# Altium PCB Mosaic-Alto.PcbDoc (part 1 of 2)
Units mm, origin at the board's own origin, x right, y up, seen from the top; angles counter-clockwise.
Board outline 95 x 75 mm, 4 copper layers (L1, L2, L3, L4), stack 1.546 mm thick; 121 components, 132 nets, 908 pads, 395 vias.
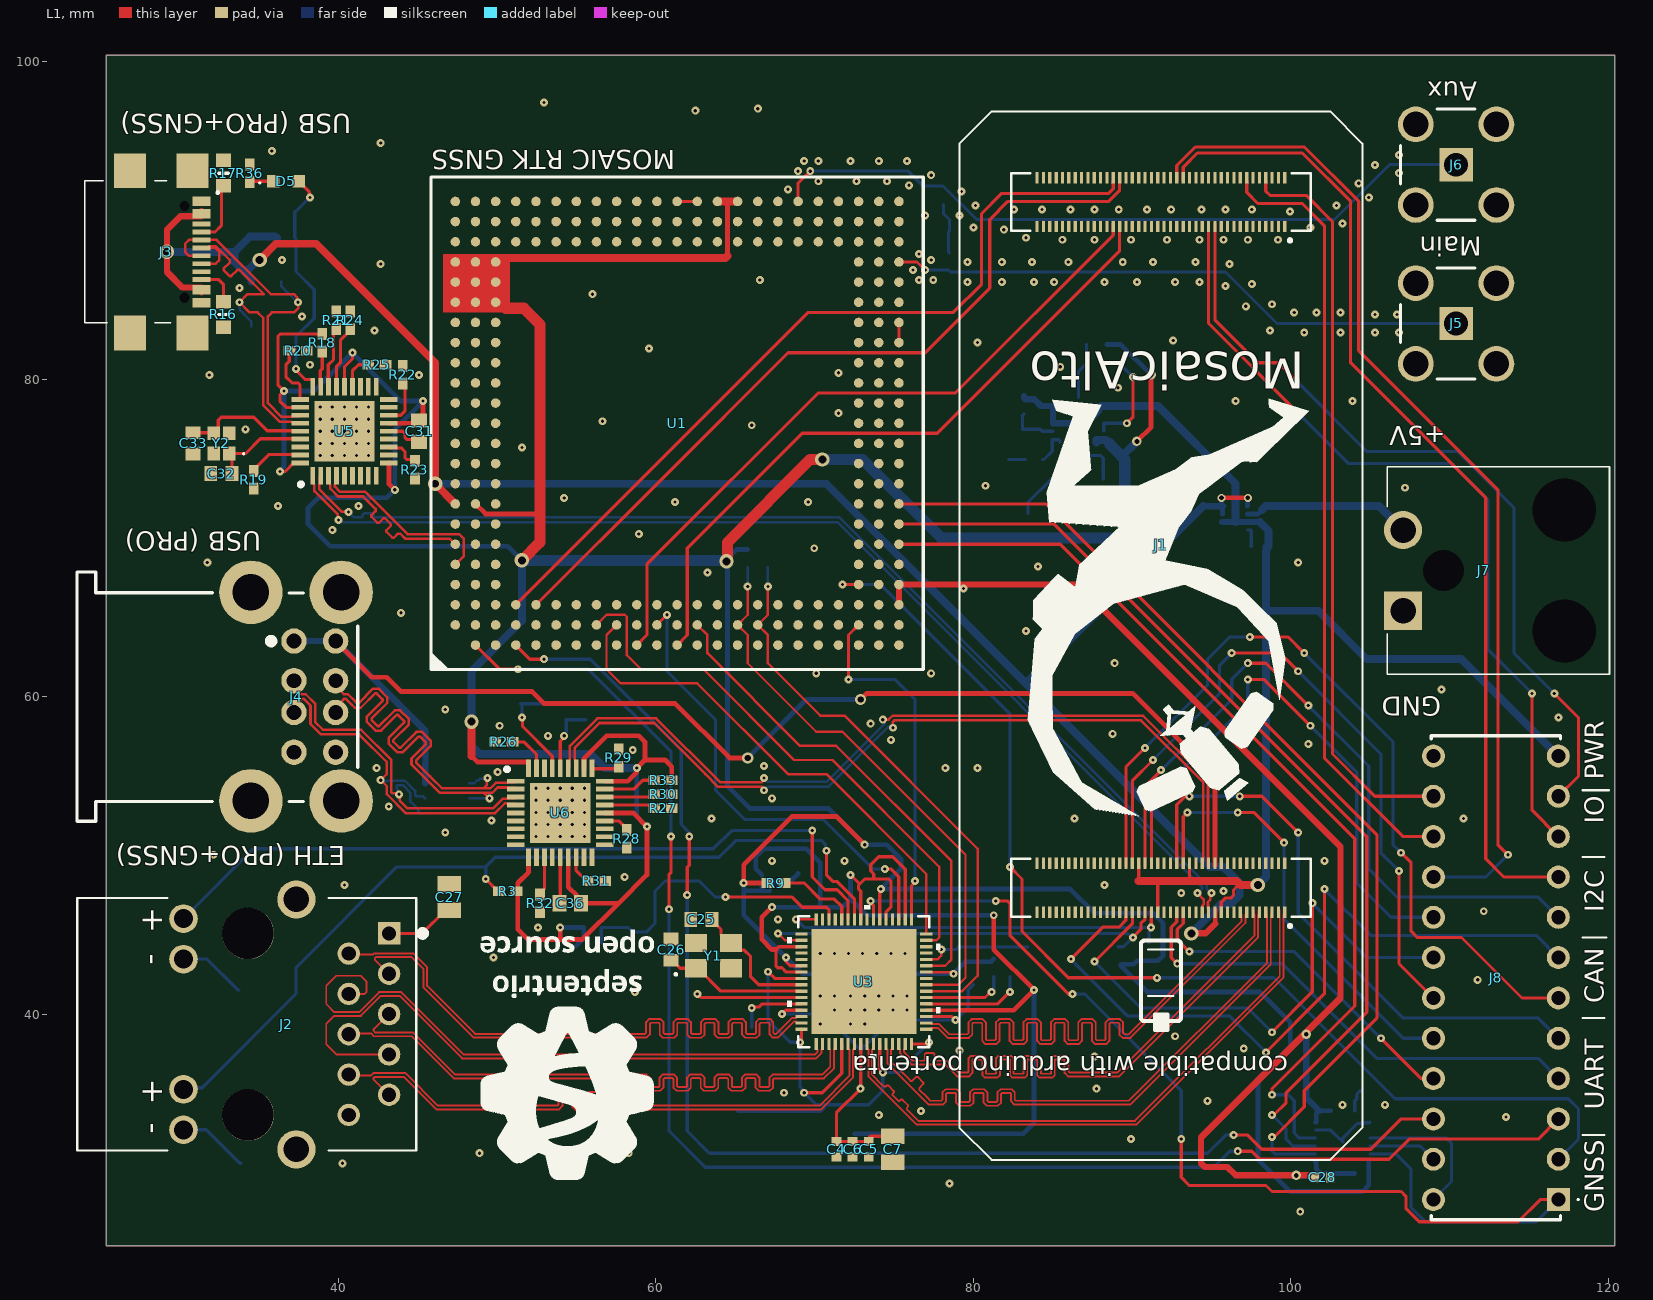
[diagram p0: L1 view]
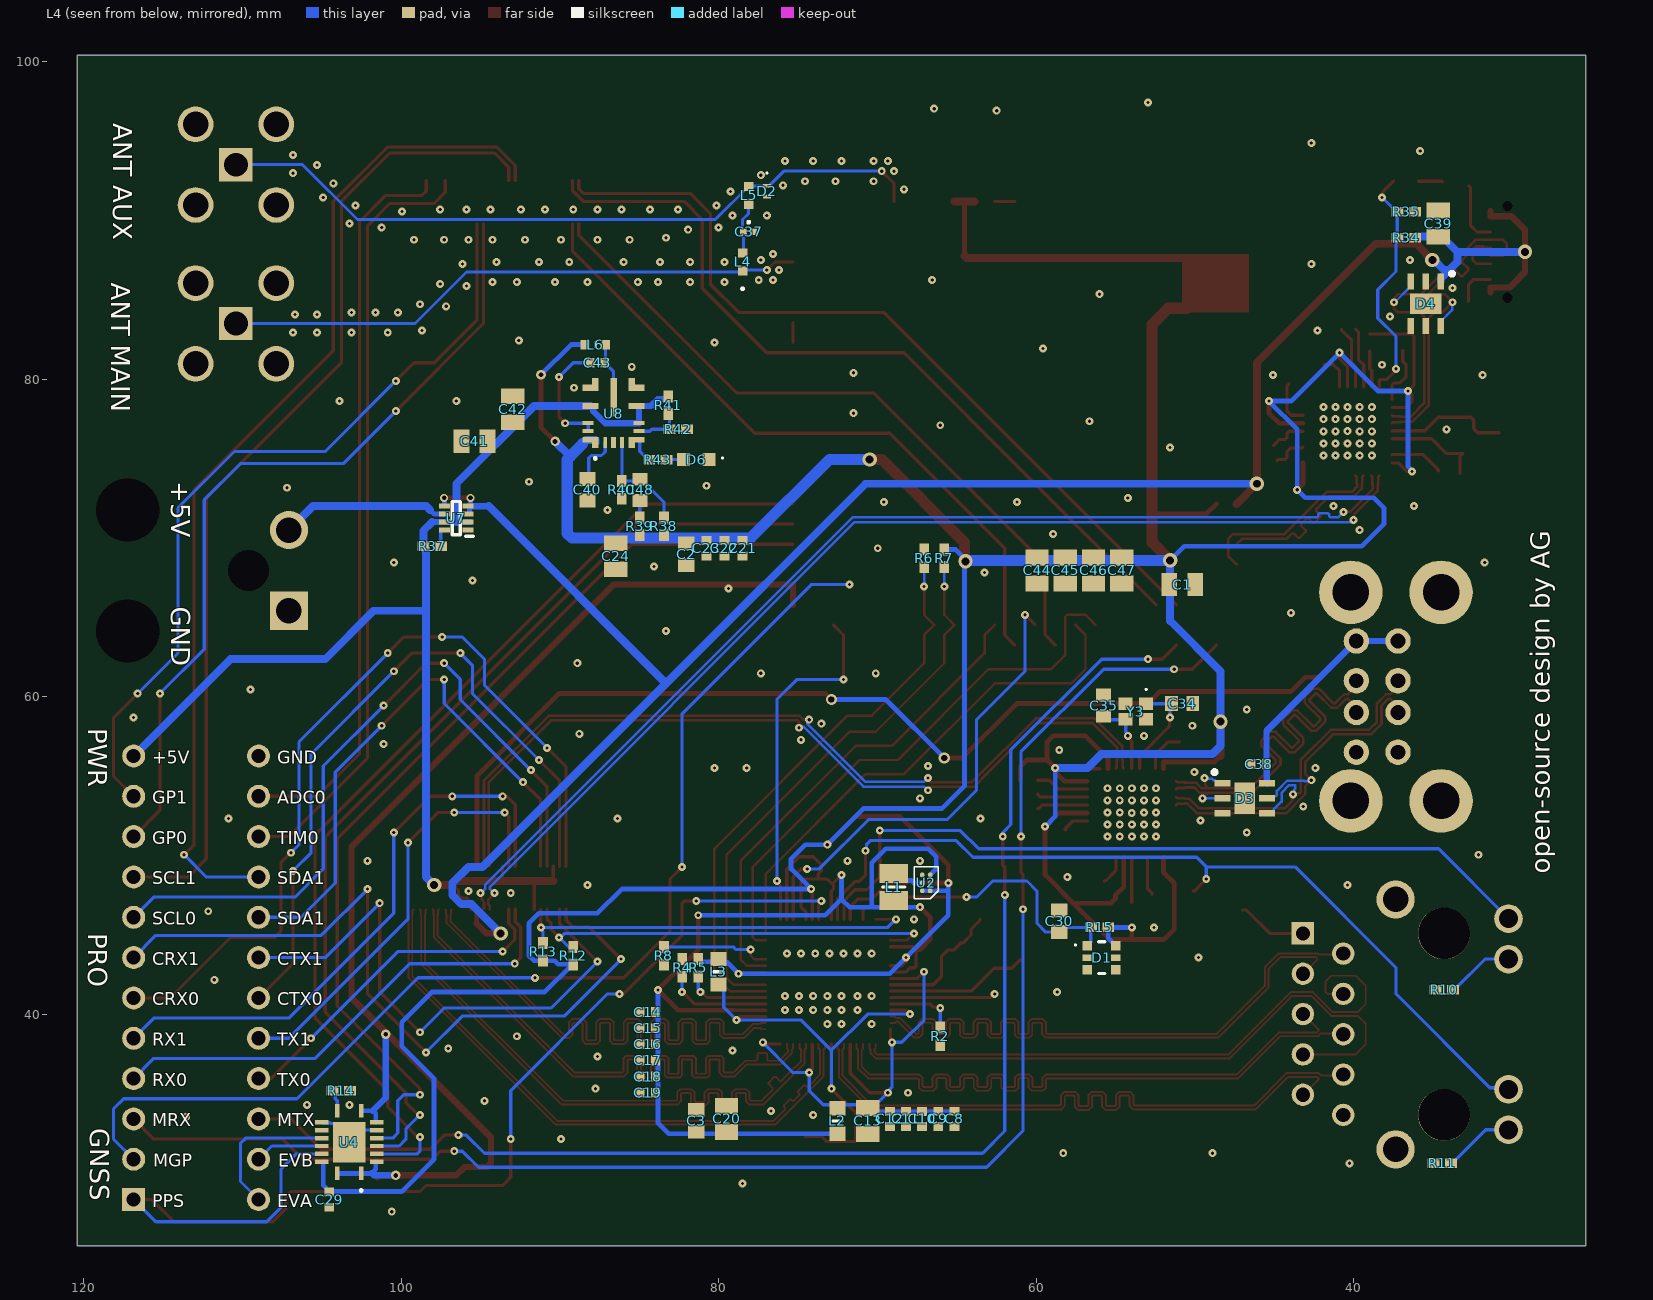
[diagram p1: L4 view, seen from below]
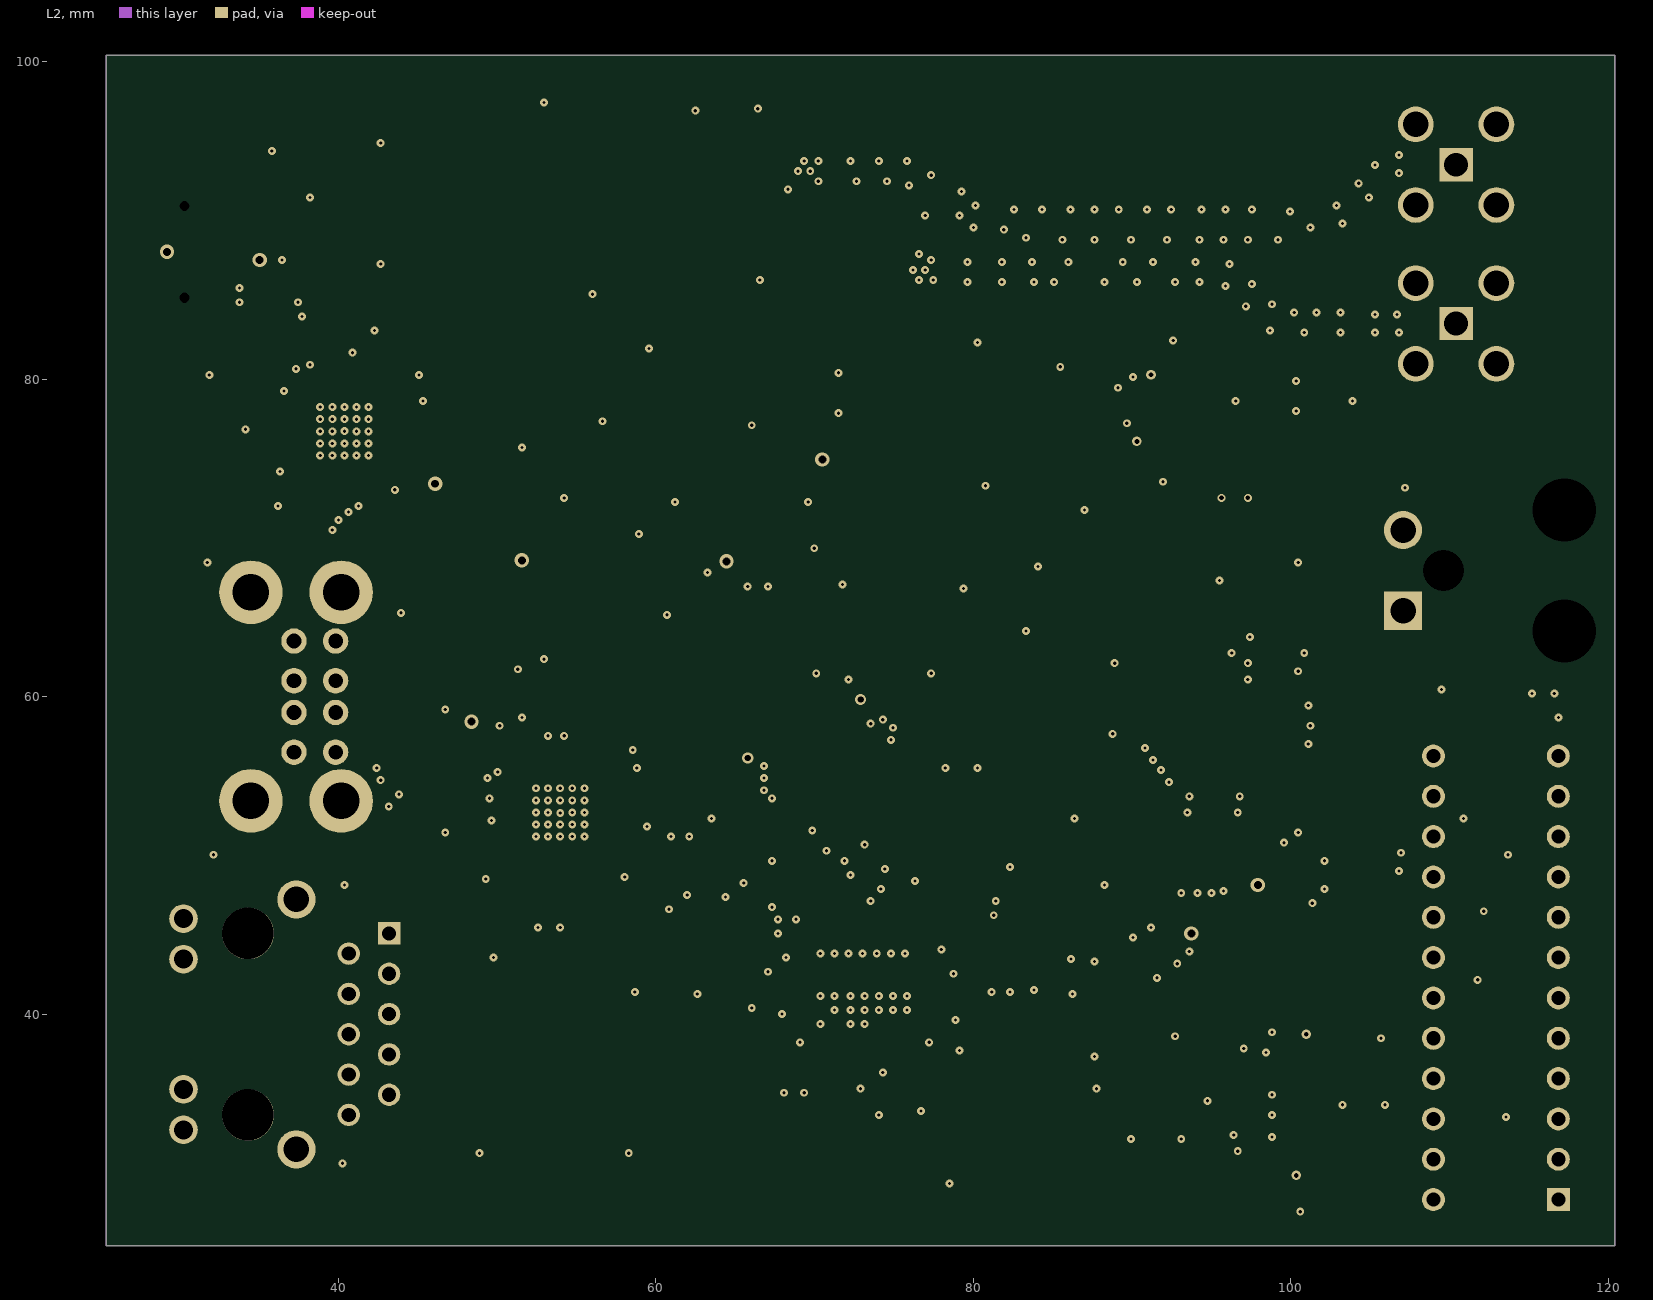
[diagram p2: L2]
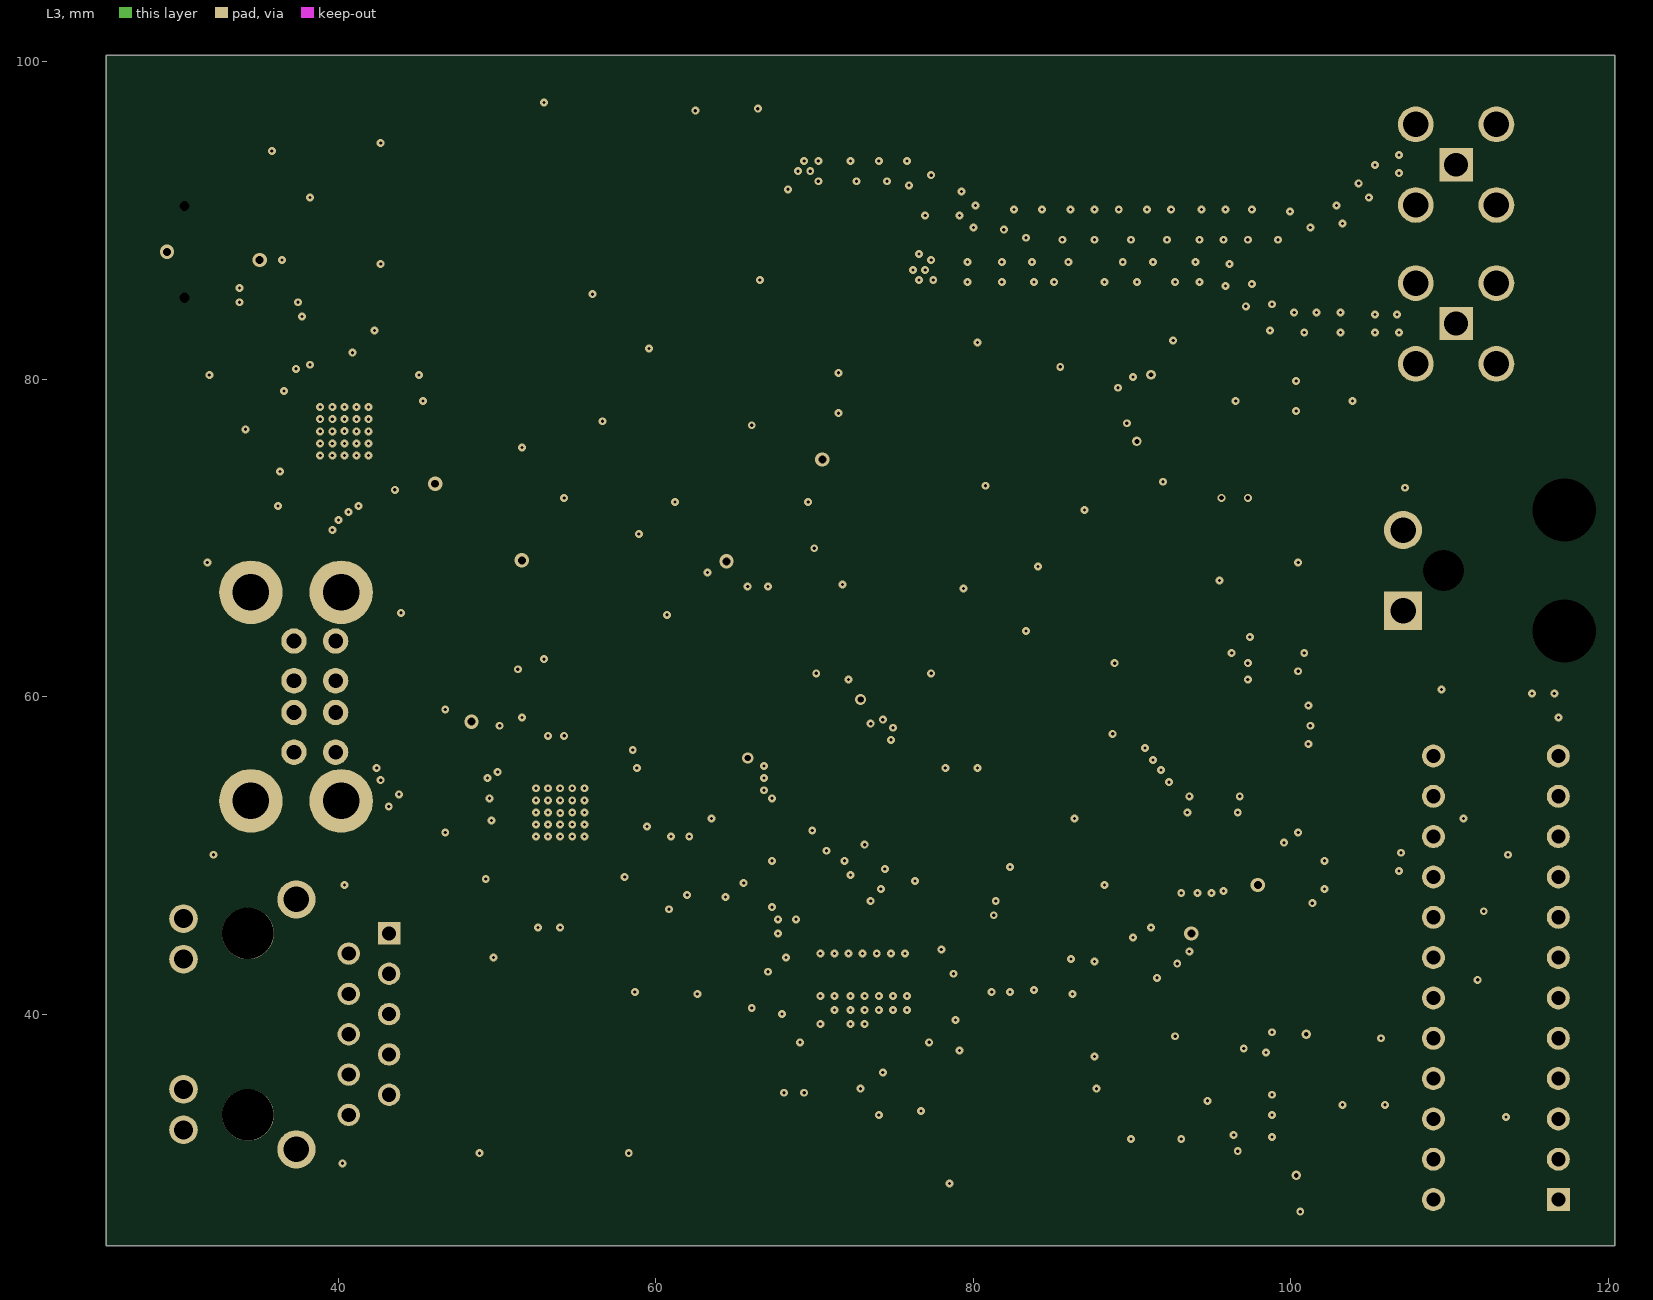
[diagram p3: L3]

## Layer stack, top to bottom
Top Solder: solder mask 0.0254, SM-001, Dk 4
L1: signal copper 0.018
Dielectric 1: prepreg 0.12, PP-017, Dk 4.3
L2: signal copper 0.035
Dielectric 3: core 1.2, Core-039, Dk 4.8
L3: signal copper 0.035
Dielectric 5: prepreg 0.12, PP-017, Dk 4.3
L4: signal copper 0.018
Bottom Solder: solder mask 0.0254, SM-001, Dk 4

## Board outline
25.4,25.4 120.4,25.4 120.4,100.4 25.4,100.4

## Design rules (kind name [scope] priority, off if disabled: settings)
Clearance [All] p1: gap=0.1 ignorepadtopadclearanceinfootprint=TRUE
DiffPairsRouting "DPR USB" [InDifferentialPairClass('USB')] p1: maxlimit=0.254 minlimit=0.135 mostfreqgap=0.254 toplayer_maxgap=0.135 toplayer_prefgap=0.135 toplayer_minwidth=0.16 toplayer_maxwidth=0.16 toplayer_prefwidth=0.16 bottomlayer_maxgap=0.135 bottomlayer_prefgap=0.135 bottomlayer_minwidth=0.16 bottomlayer_maxwidth=0.16 bottomlayer_prefwidth=0.16 impedanceprofiledriven=TRUE impedanceprofileid={52512706-66FF-41AC-9D00-82F6A5528D02} impedanceprofilevalue=90.000000 maxuncoupledlength=12.7
DiffPairsRouting "DPR ETH" [InDifferentialPairClass('ETH')] p2: maxlimit=0.254 minlimit=0.116 mostfreqgap=0.254 toplayer_maxgap=0.116 toplayer_prefgap=0.116 toplayer_minwidth=0.12 toplayer_maxwidth=0.12 toplayer_prefwidth=0.12 bottomlayer_maxgap=0.116 bottomlayer_prefgap=0.116 bottomlayer_minwidth=0.12 bottomlayer_maxwidth=0.12 bottomlayer_prefwidth=0.12 impedanceprofiledriven=TRUE impedanceprofileid={9EF9EB3B-9D26-48AA-AE8A-2948C9B5AF35} impedanceprofilevalue=100.000000 maxuncoupledlength=12.7
DiffPairsRouting [All] p3: maxlimit=0.254 minlimit=0.254 mostfreqgap=0.254 toplayer_minwidth=0.381 toplayer_maxwidth=0.381 toplayer_prefwidth=0.381 midlayer1_minwidth=0.381 midlayer1_maxwidth=0.381 midlayer1_prefwidth=0.381 midlayer2_minwidth=0.381 midlayer2_maxwidth=0.381 midlayer2_prefwidth=0.381 bottomlayer_minwidth=0.381 bottomlayer_maxwidth=0.381 bottomlayer_prefwidth=0.381 maxuncoupledlength=12.7
MinimumSolderMaskSliver [All] p1: minsoldermaskwidth=0.08
PlaneConnect [All] p1: planeconnectstyle=Direct reliefexpansion=0.508 reliefentries=4 reliefconductorwidth=0.254 reliefairgap=0.254
PolygonConnect [All] p1: connectstyle=Direct reliefconductorwidth=0.254 reliefentries=4 polygonreliefangle="90 Angle" airgapwidth=0.254
RoutingVias [All] p1: holewidth=0.711 width=1.27 viastyle="Through Hole" minholewidth=0.711 minwidth=1.27 maxholewidth=0.711 maxwidth=1.27
SilkToSilkClearance [All] p1: silktosilkclearance=0.2
SilkToSolderMaskClearance [IsPad] p1: minsilkscreentomaskgap=0.2 clearancetoexposedcopper=TRUE
SolderMaskExpansion [All] p1: expansion=0.102 istentingtop=FALSE
UnRoutedNet [All] p1: checkbadconnections=TRUE
Width "Width ANT" [InNetClass('ANT')] p1: maxlimit=0.254 minlimit=0.184 preferedwidth=0.254 toplayer_maxwidth=0.184 toplayer_prefwidth=0.184 bottomlayer_maxwidth=0.184 bottomlayer_prefwidth=0.184 impedanceprofiledriven=TRUE impedanceprofileid={740E6A29-2606-47BA-BF89-04E3C2E94641} impedanceprofilevalue=50.000000 minimp=50.000000 maximp=50.000000 favimp=50.000000
Width [All] p2: maxlimit=1.5 minlimit=0.15 preferedwidth=0.2 minimp=50.000000 maximp=50.000000 favimp=50.000000
24 further rules are at their usual default settings.

## Classes and differential pairs
component class MA-Support: J8
differential pair class USB: USBA_D1 USBA_D2 USBA_UP USBC_D1 USBC_D2 USBC_UP
net class USBC: USBC_D1_N USBC_D1_P USBC_D2_N USBC_D2_P USBC_UP_N USBC_UP_P
net class USBA: USBA_D1_N USBA_D1_P USBA_D2_N USBA_D2_P USBA_UP_N USBA_UP_P
net class ANT: NetD2_1 NetJ5_1
differential pair class ETH: ETH_1A ETH_1B ETH_1C ETH_1D ETH_2A ETH_2B ETH_2C ETH_2D
net class ETH: ETH_1A_N ETH_1A_P ETH_1B_N ETH_1B_P ETH_1C_N ETH_1C_P ETH_1D_N ETH_1D_P ETH_2A_N ETH_2A_P ETH_2B_N ETH_2B_P ETH_2C_N ETH_2C_P ETH_2D_N ETH_2D_P
component class MA-USBC: C31 C32 C33 C39 D4 D5 J3 R16 R17 R18 R19 R20 R21 R22 R23 R24 R25 R34 R35 R36 U5 Y2
component class MA-USBA: C34 C35 C36 C38 D3 J4 R26 R27 R28 R29 R30 R31 R32 R33 U6 Y3
component class MA-Power: C2 C3 C4 C5 C6 C7 C8 C9 C10 C11 C12 C13 C14 C15 C16 C17 C18 C19 C20 C21 C22 C23 C24 C30 C40 C41 C42 C43 C44 C45 C46 C47 C48 D1 D6 J7 L1 L2 L3 L6 R15 R37 R38 R39 R40 R41 R42 R43 U2 U7 U8
component class MA-Portenta: J1 R12 R13
component class MA-Mosaic: C1 C28 C29 C37 D2 J5 J6 L4 L5 R14 U1 U4
component class MA-Ethernet: C25 C26 C27 J2 R2 R3 R4 R5 R6 R7 R8 R9 R10 R11 U3 Y1
differential pair USBC_UP: +USBC_UP_P -USBC_UP_N
differential pair USBC_D2: +USBC_D2_P -USBC_D2_N
differential pair USBC_D1: +USBC_D1_P -USBC_D1_N
differential pair USBA_UP: +USBA_UP_P -USBA_UP_N
differential pair USBA_D2: +USBA_D2_P -USBA_D2_N
differential pair USBA_D1: +USBA_D1_P -USBA_D1_N
differential pair ETH_2D: +ETH_2D_P -ETH_2D_N
differential pair ETH_2C: +ETH_2C_P -ETH_2C_N
differential pair ETH_2B: +ETH_2B_P -ETH_2B_N
differential pair ETH_2A: +ETH_2A_P -ETH_2A_N
differential pair ETH_1D: +ETH_1D_P -ETH_1D_N
differential pair ETH_1C: +ETH_1C_P -ETH_1C_N
differential pair ETH_1B: +ETH_1B_P -ETH_1B_N
differential pair ETH_1A: +ETH_1A_P -ETH_1A_N

## Components (designator, comment, footprint, x,y, rotation, side; value= is the part's Value field where it differs from the comment)
C1 "22uF" CAPC2012X145N 50.8,67.056 r180 bottom
C2 "4.7uF" CAPC1608X100N 82.042,68.961 r270 bottom
C3 "4.7uF" CAPC1608X100N 81.407,33.274 r90 bottom
C4 "0.1uF" CAPC1005X55N 71.374,31.496 r270 top
C5 "0.1uF" CAPC1005X55N 73.406,31.496 r270 top
C6 "0.1uF" CAPC1005X55N 72.39,31.496 r270 top
C7 "22uF" CAPC2012X145N 74.93,31.496 r270 top
C8 "0.1uF" CAPC1005X55N 65.151,33.401 r270 bottom
C9 "0.1uf" CAPC1005X55N 66.167,33.401 r270 bottom
C10 "0.1uF" CAPC1005X55N 67.183,33.401 r270 bottom
C11 "0.1uF" CAPC1005X55N 68.199,33.401 r270 bottom
C12 "0.1uF" CAPC1005X55N 69.215,33.401 r270 bottom
C13 "22uF" CAPC2012X145N 70.612,33.274 r270 bottom
C14 "0.1uF" CAPC1005X55N 84.455,40.132 r0 bottom
C15 "0.1uF" CAPC1005X55N 84.455,39.116 r0 bottom
C16 "0.1uF" CAPC1005X55N 84.455,38.1 r0 bottom
C17 "0.1uF" CAPC1005X55N 84.455,37.084 r0 bottom
C18 "0.1uF" CAPC1005X55N 84.455,36.068 r0 bottom
C19 "0.1uF" CAPC1005X55N 84.455,35.052 r0 bottom
C20 "22uF" CAPC2012X145N 79.502,33.401 r90 bottom
C21 "0.1uf" CAPC1005X55N 78.486,69.342 r270 bottom
C22 "0.1uf" CAPC1005X55N 79.629,69.342 r270 bottom
C23 "0.1uf" CAPC1005X55N 80.772,69.342 r270 bottom
C24 "22uF" CAPC2012X145N 86.487,68.834 r270 bottom
C25 "18pF" CAPC1608X87N 62.865,45.974 r180 top
C26 "18pF" CAPC1608X87N 60.96,44.069 r90 top
C27 "0.1uF" CAPC2012X145N 46.99,47.371 r90 top
C28 "0.1uF" CAPC1005X55N 101.981,29.718 r0 top
C29 "0.1uF" CAPC1005X55N 104.521,28.321 r270 bottom
C30 "10uF" CAPC1608X100N 58.547,45.847 r90 bottom
C31 "1uF" CAPC1608X100N 45.085,76.708 r90 top
C32 "18pF" CAPC1608X87N 32.639,74.041 r0 top
C33 "18pF" CAPC1608X87N 30.861,75.946 r90 top
C34 "18pF" CAPC1608X87N 50.8,59.563 r180 bottom
C35 "18pF" CAPC1608X87N 55.753,59.436 r90 bottom
C36 "1uF" CAPC1608X100N 54.61,46.99 r0 top
C37 "100pF" CAPC0603X35N 78.105,89.281 r180 bottom
C38 "0.1uF" CAPC1005X55N 45.974,55.753 r0 bottom
C39 "0.1uF" CAPC2012X145N 34.671,89.789 r90 bottom
C40 "1uF" CAPC1608X100N 88.265,73.025 r270 bottom
C41 "0.1uF" CAPC2012X145N 95.377,76.073 r0 bottom
C42 "0.1uF" CAPC2012X145N 92.964,78.105 r90 bottom
C43 "0.1uF" CAPC1005X55N 87.63,81.026 r0 bottom
C44 "22uF" CAPC2012X145N 59.944,67.945 r270 bottom
C45 "22uF" CAPC2012X145N 58.166,67.945 r270 bottom
C46 "22uF" CAPC2012X145N 56.388,67.945 r270 bottom
C47 "22uF" CAPC2012X145N 54.61,67.945 r270 bottom
C48 "4.7pF" CAPC1608X87N 84.963,73.025 r270 bottom
D1 "BAS116VY-QX" BAS116VYQX 55.88,43.561 r180 bottom
D2 "TPD1E0B04DPYR" TPD1E0B04DPYR 76.962,91.821 r270 bottom
D3 "TPD4E001DRSR" SON95P300X300X80-7N-D 46.863,53.594 r180 bottom
D4 "TPD2E001DRSR" SON95P300X300X80-7N-D 35.468,84.732 r270 bottom
D5 "Green" APT1608ZGCAMT 36.703,92.456 r0 top
D6 "green" APT1608ZGCAMT 81.407,74.93 r0 bottom
J1 "Portenta-80PF-Dual" HRS_DF40C-80DP-0.4V(51) 91.811,47.964 r90 top
J2 "1-2301994-0" 1-2301994-0 43.2,45.085 r270 top
J3 "USB4110-GFA" USB4110-GFA 27.708,88.011 r270 top
J4 "USB1035-XXXXXB" USB1035-XXXXXB 34.5,60 r270 top
J5 "SMA 1" 3-1478978-1 110.4,83.5 r90 top
J6 "SMA 2" 3-1478978-1 110.4,93.5 r90 top
J7 "794120-1" 7941201 107.061,65.405 r270 top
J8 "535512-3" 5355123 116.84,28.321 r90 top
L1 "1uH" INDC2016X100N 68.961,48.006 r270 bottom
L2 "MPZ1608S121ATDH5" BEADC1608X75N 72.517,33.274 r270 bottom
L3 "MPZ1608S121ATDH5" BEADC1608X75N 80.01,42.672 r90 bottom
L4 "47nH" IND_1005_TDK 78.486,87.376 r90 bottom
L5 "47nH" IND_1005_TDK 78.105,91.567 r90 bottom
L6 "1.5uH" INDC1005X55N 87.757,82.169 r0 bottom
R2 "6.04k" RESC1005X40N 66.04,38.608 r90 bottom
R3 "4.7k" RESC1005X40N 50.673,47.752 r180 top
R4 "1k" RESC1005X40N 82.296,42.926 r270 bottom
R5 "4.7k" RESC1005X40N 81.28,42.926 r270 bottom
R6 "1k" RESC1005X40N 67.056,68.707 r270 bottom
R7 "4.7k" RESC1005X40N 65.786,68.707 r270 bottom
R8 "1k" RESC1005X40N 83.439,43.688 r90 bottom
R9 "4.7k" RESC1005X40N 67.564,48.26 r0 top
R10 "330R" RESC1005X40N 34.29,41.529 r0 bottom
R11 "330R" RESC1005X40N 34.417,30.607 r0 bottom
R12 "4.7k" RESC1005X40N 89.154,43.688 r270 bottom
R13 "4.7k" RESC1005X40N 91.059,43.942 r90 bottom
R14 "4.7k" RESC1005X40N 103.759,35.179 r180 bottom
R15 "10k" RESC1005X40N 56.007,45.466 r0 bottom
R16 "5.1k" RESC1608X60N 32.766,84.074 r270 top
R17 "5.1k" RESC1608X60N 32.766,92.964 r90 top
R18 "10k" RESC1005X40N 38.989,82.296 r90 top
R19 "12k" RESC1005X40N 34.671,73.66 r270 top
R20 "4.7k" RESC1005X40N 37.465,81.788 r0 top
R21 "4.7k" RESC1005X40N 39.878,83.693 r90 top
R22 "4.7k" RESC1005X40N 44.069,80.264 r90 top
R23 "4.7k" RESC1005X40N 44.831,74.295 r270 top
R24 "4.7k" RESC1005X40N 40.767,83.693 r270 top
R25 "4.7k" RESC1005X40N 42.418,80.899 r180 top
R26 "12k" RESC1005X40N 50.419,57.15 r180 top
R27 "4.7k" RESC1005X40N 60.452,52.959 r0 top
R28 "4.7k" RESC1005X40N 58.166,51.054 r270 top
R29 "4.7k" RESC1005X40N 57.658,56.134 r90 top
R30 "4.7k" RESC1005X40N 60.452,53.848 r0 top
R31 "4.7k" RESC1005X40N 56.261,48.387 r0 top
R32 "4.7k" RESC1005X40N 52.705,46.99 r270 top
R33 "10k" RESC1005X40N 60.452,54.737 r0 top
R34 "56k" RESC1005X40N 36.703,88.9 r0 bottom
R35 "100k" RESC1005X40N 36.703,90.551 r180 bottom
R36 "330R" RESC1005X40N 34.417,92.964 r90 top
R37 "10k" RESC1005X40N 98.044,69.469 r0 bottom
R38 "100k" RESC1005X40N 83.439,70.739 r90 bottom
R39 "1k" RESC1005X40N 84.963,70.739 r270 bottom
R40 "42.2k" RESC1005X40N 86.106,73.025 r270 bottom
R41 "100k" RESC1005X40N 83.185,78.359 r90 bottom
R42 "56k" RESC1005X40N 82.55,76.835 r180 bottom
R43 "330R" RESC1005X40N 83.82,74.93 r180 bottom
U1 "Mosaic" Mosaic 61.341,77.216 r90 top
U2 "LM3691TL-1.2/NOPB" BGA6C50P2X3_126X156X68 66.925,48.268 r0 bottom
U3 "KSZ9563RNXI-TR" VQFN64_NX_MCH 73.104,42.05 r90 top
U4 "SN74AVC4T774RGYR" SN74AVC4T774RGYR 103.263,31.947 r90 bottom
U5 "USB2532I-1080AEN" QFN50P600X600X100-37N-D 40.392,76.716 r90 top
U6 "USB2532I-1080AEN" QFN50P600X600X100-37N-D 53.981,52.673 r0 top
U7 "TPS2116DRLR" SOTFL50P160X60-8N 96.52,71.247 r0 bottom
U8 "LMQ62440BPPQRJRRQ1" LMQ62440BPPQRJRRQ1 86.614,77.851 r90 bottom
Y1 "25MHz" LFXTAL055474REEL 63.627,43.688 r0 top
Y2 "24MHz" LFXTAL071257Reel 32.639,75.946 r90 top
Y3 "24MHz" LFXTAL071257Reel 53.721,59.055 r0 bottom

## Footprints (in the part's own frame and the unit in brackets; to place one, negate y for a bottom-side part, rotate by r counter-clockwise, add the part's x,y. Pads: shape width x height; smd on the part's side, far side on the other; paste and mask are expansions set on the pad)
1-2301994-0 [mm]
  rect 1.408x1.408 hole 0.9: P1(0,0)
  round 1.408 hole 0.9: P2(1.27,-2.54) P3(2.54,0) P4(3.81,-2.54) P5(5.08,0) P6(6.35,-2.54) P7(7.62,0) P8(8.89,-2.54) P9(10.16,0) P10(11.43,-2.54)
  round 1.8 hole 1.2: P11(-0.93,-12.95) P12(1.62,-12.95) P13(9.82,-12.95) P14(12.37,-12.95)
  round 2.4 hole 1.6: S1(-2.14,-5.84) S2(13.6,-5.84)
  round 3.25 hole 3.25 unplated: SP1(0,-8.89) SP2(11.43,-8.89)
  silkscreen extent -2.23,-19.64 13.66,2.31, body extent -4.29,-19.65 15.71,1.71, height 15.62
3-1478978-1 [mm]
  rect 2.1x2.1 hole 1.5: 1(0,0)
  round 2.25 hole 1.6: 2(-2.54,-2.54) 3(2.54,-2.54) 4(2.54,2.54) 5(-2.54,2.54)
  silkscreen extent -3.5,-1.2 3.5,3.5, body extent -3.18,-12.4 3.18,3.15, height 10.15
5355123 [mm]
  rect 1.446x1.446 hole 0.89: 1(0,0)
  round 1.446 hole 0.89: 2(2.54,0) 3(5.08,0) 4(7.62,0) 5(10.16,0) 6(12.7,0) 7(15.24,0) 8(17.78,0) 9(20.32,0) 10(22.86,0) 11(25.4,0) 12(27.94,0) 13(27.94,7.87) 14(25.4,7.87) 15(22.86,7.87) 16(20.32,7.87) 17(17.78,7.87) 18(15.24,7.87) 19(12.7,7.87) 20(10.16,7.87) 21(7.62,7.87) 22(5.08,7.87) 23(2.54,7.87) 24(0,7.87)
  silkscreen extent -1.27,-1.3 29.21,8, body extent -1.14,-0.13 29.34,8, height 6.04
7941201 [mm]
  rect 2.4x2.4 hole 1.6: 1(0,0)
  round 2.4 hole 1.6: 2(-5.08,0)
  round 1.295 hole 2.59 unplated: 3(-2.54,2.54)
  round 1.995 hole 3.99 unplated: 4(-6.35,10.16) 5(1.27,10.16)
  silkscreen extent -9.08,-1 4,13, body extent -10.16,-0.84 5.08,13.03, height 9.19
APT1608ZGCAMT [mm]
  rect 0.8x0.8 smd: 1(-0.8,0) 2(0.8,0)
  silkscreen extent -1.7,-0.15 -1.6,-0.05, body extent -0.8,-0.4 0.8,0.4, height 0.95
BAS116VYQX [mm]
  rect 0.6x0.6 smd: 1(-0.9,0.75) 3(-0.9,-0.75) 4(0.9,-0.75) 6(0.9,0.75)
  rect 0.6x0.4 smd: 2(-0.9,0) 5(0.9,0)
  silkscreen extent -1.7,-1 0.2,1, body extent -1.16,-1 1.16,1, height 1.2
BEADC1608X75N [mm]
  rect 0.9x1 smd: 1(-0.8,0) 2(0.8,0)
  silkscreen extent 0,-0.3 0,0.3, body extent -0.8,-0.4 0.8,0.4, height 0.75
BGA6C50P2X3_126X156X68 [mm]
  round 0.306 smd: A1(-0.25,0.5) A2(0.25,0.5) B1(-0.25,0) B2(0.25,0) C1(-0.25,-0.5) C2(0.25,-0.5)
  silkscreen extent -0.75,-1 0.75,1, body extent -0.63,-0.78 0.63,0.78, height 0.67
CAPC0603X35N [mm]
  rect 0.46x0.42 smd: 1(-0.33,0) 2(0.33,0)
  body extent -0.3,-0.15 0.3,0.15, height 0.35
CAPC1005X55N [mm]
  rect 0.56x0.62 smd: 1(-0.48,0) 2(0.48,0)
  body extent -0.5,-0.25 0.5,0.25, height 0.55
CAPC1608X87N [mm]
  rect 0.8x0.94 smd: 1(-0.67,0) 2(0.67,0)
  body extent -0.8,-0.4 0.8,0.4, height 0.87
CAPC1608X100N [mm]
  rect 0.87x1.02 smd: 1(-0.68,0) 2(0.68,0)
  body extent -0.8,-0.4 0.8,0.4, height 1
CAPC2012X145N [mm]
  rect 0.99x1.47 smd: 1(-0.82,0) 2(0.82,0)
  body extent -1,-0.63 1,0.63, height 1.45
HRS_DF40C-80DP-0.4V(51) [mm]
  rect 0.711x0.203 smd paste-1: 1(-1.54,-7.8) 2(1.54,-7.8) 3(-1.54,-7.4) 4(1.54,-7.4) 5(-1.54,-7) 6(1.54,-7) 7(-1.54,-6.6) 8(1.54,-6.6) 9(-1.54,-6.2) 10(1.54,-6.2) 11(-1.54,-5.8) 12(1.54,-5.8) 13(-1.54,-5.4) 14(1.54,-5.4) 15(-1.54,-5) 16(1.54,-5) 17(-1.54,-4.6) 18(1.54,-4.6) 19(-1.54,-4.2) 20(1.54,-4.2) 21(-1.54,-3.8) 22(1.54,-3.8) 23(-1.54,-3.4) 24(1.54,-3.4) 25(-1.54,-3) 26(1.54,-3) 27(-1.54,-2.6) 28(1.54,-2.6) 29(-1.54,-2.2) 30(1.54,-2.2) 31(-1.54,-1.8) 32(1.54,-1.8) 33(-1.54,-1.4) 34(1.54,-1.4) 35(-1.54,-1) 36(1.54,-1) 37(-1.54,-0.6) 38(1.54,-0.6) 39(-1.54,-0.2) 40(1.54,-0.2) 41(-1.54,0.2) 42(1.54,0.2) 43(-1.54,0.6) 44(1.54,0.6) 45(-1.54,1) 46(1.54,1) 47(-1.54,1.4) 48(1.54,1.4) 49(-1.54,1.8) 50(1.54,1.8) 51(-1.54,2.2) 52(1.54,2.2) 53(-1.54,2.6) 54(1.54,2.6) 55(-1.54,3) 56(1.54,3) 57(-1.54,3.4) 58(1.54,3.4) 59(-1.54,3.8) 60(1.54,3.8) 61(-1.54,4.2) 62(1.54,4.2) 63(-1.54,4.6) 64(1.54,4.6) 65(-1.54,5) 66(1.54,5) 67(-1.54,5.4) 68(1.54,5.4) 69(-1.54,5.8) 70(1.54,5.8) 71(-1.54,6.2) 72(1.54,6.2) 73(-1.54,6.6) 74(1.54,6.6) 75(-1.54,7) 76(1.54,7) 77(-1.54,7.4) 78(1.54,7.4) 79(-1.54,7.8) 80(1.54,7.8) 81(44.72,7.8) 82(41.64,7.8) 83(44.72,7.4) 84(41.64,7.4) 85(44.72,7) 86(41.64,7) 87(44.72,6.6) 88(41.64,6.6) 89(44.72,6.2) 90(41.64,6.2) 91(44.72,5.8) 92(41.64,5.8) 93(44.72,5.4) 94(41.64,5.4) 95(44.72,5) 96(41.64,5) 97(44.72,4.6) 98(41.64,4.6) 99(44.72,4.2) 100(41.64,4.2) 101(44.72,3.8) 102(41.64,3.8) 103(44.72,3.4) 104(41.64,3.4) 105(44.72,3) 106(41.64,3) 107(44.72,2.6) 108(41.64,2.6) 109(44.72,2.2) 110(41.64,2.2) 111(44.72,1.8) 112(41.64,1.8) 113(44.72,1.4) 114(41.64,1.4) 115(44.72,1) 116(41.64,1) 117(44.72,0.6) 118(41.64,0.6) 119(44.72,0.2) 120(41.64,0.2) 121(44.72,-0.2) 122(41.64,-0.2) 123(44.72,-0.6) 124(41.64,-0.6) 125(44.72,-1) 126(41.64,-1) 127(44.72,-1.4) 128(41.64,-1.4) 129(44.72,-1.8) 130(41.64,-1.8) 131(44.72,-2.2) 132(41.64,-2.2) 133(44.72,-2.6) 134(41.64,-2.6) 135(44.72,-3) 136(41.64,-3) 137(44.72,-3.4) 138(41.64,-3.4) 139(44.72,-3.8) 140(41.64,-3.8) 141(44.72,-4.2) 142(41.64,-4.2) 143(44.72,-4.6) 144(41.64,-4.6) 145(44.72,-5) 146(41.64,-5) 147(44.72,-5.4) 148(41.64,-5.4) 149(44.72,-5.8) 150(41.64,-5.8) 151(44.72,-6.2) 152(41.64,-6.2) 153(44.72,-6.6) 154(41.64,-6.6) 155(44.72,-7) 156(41.64,-7) 157(44.72,-7.4) 158(41.64,-7.4) 159(44.72,-7.8) 160(41.64,-7.8)